# KiCad board kicad.kicad_pcb (continued)
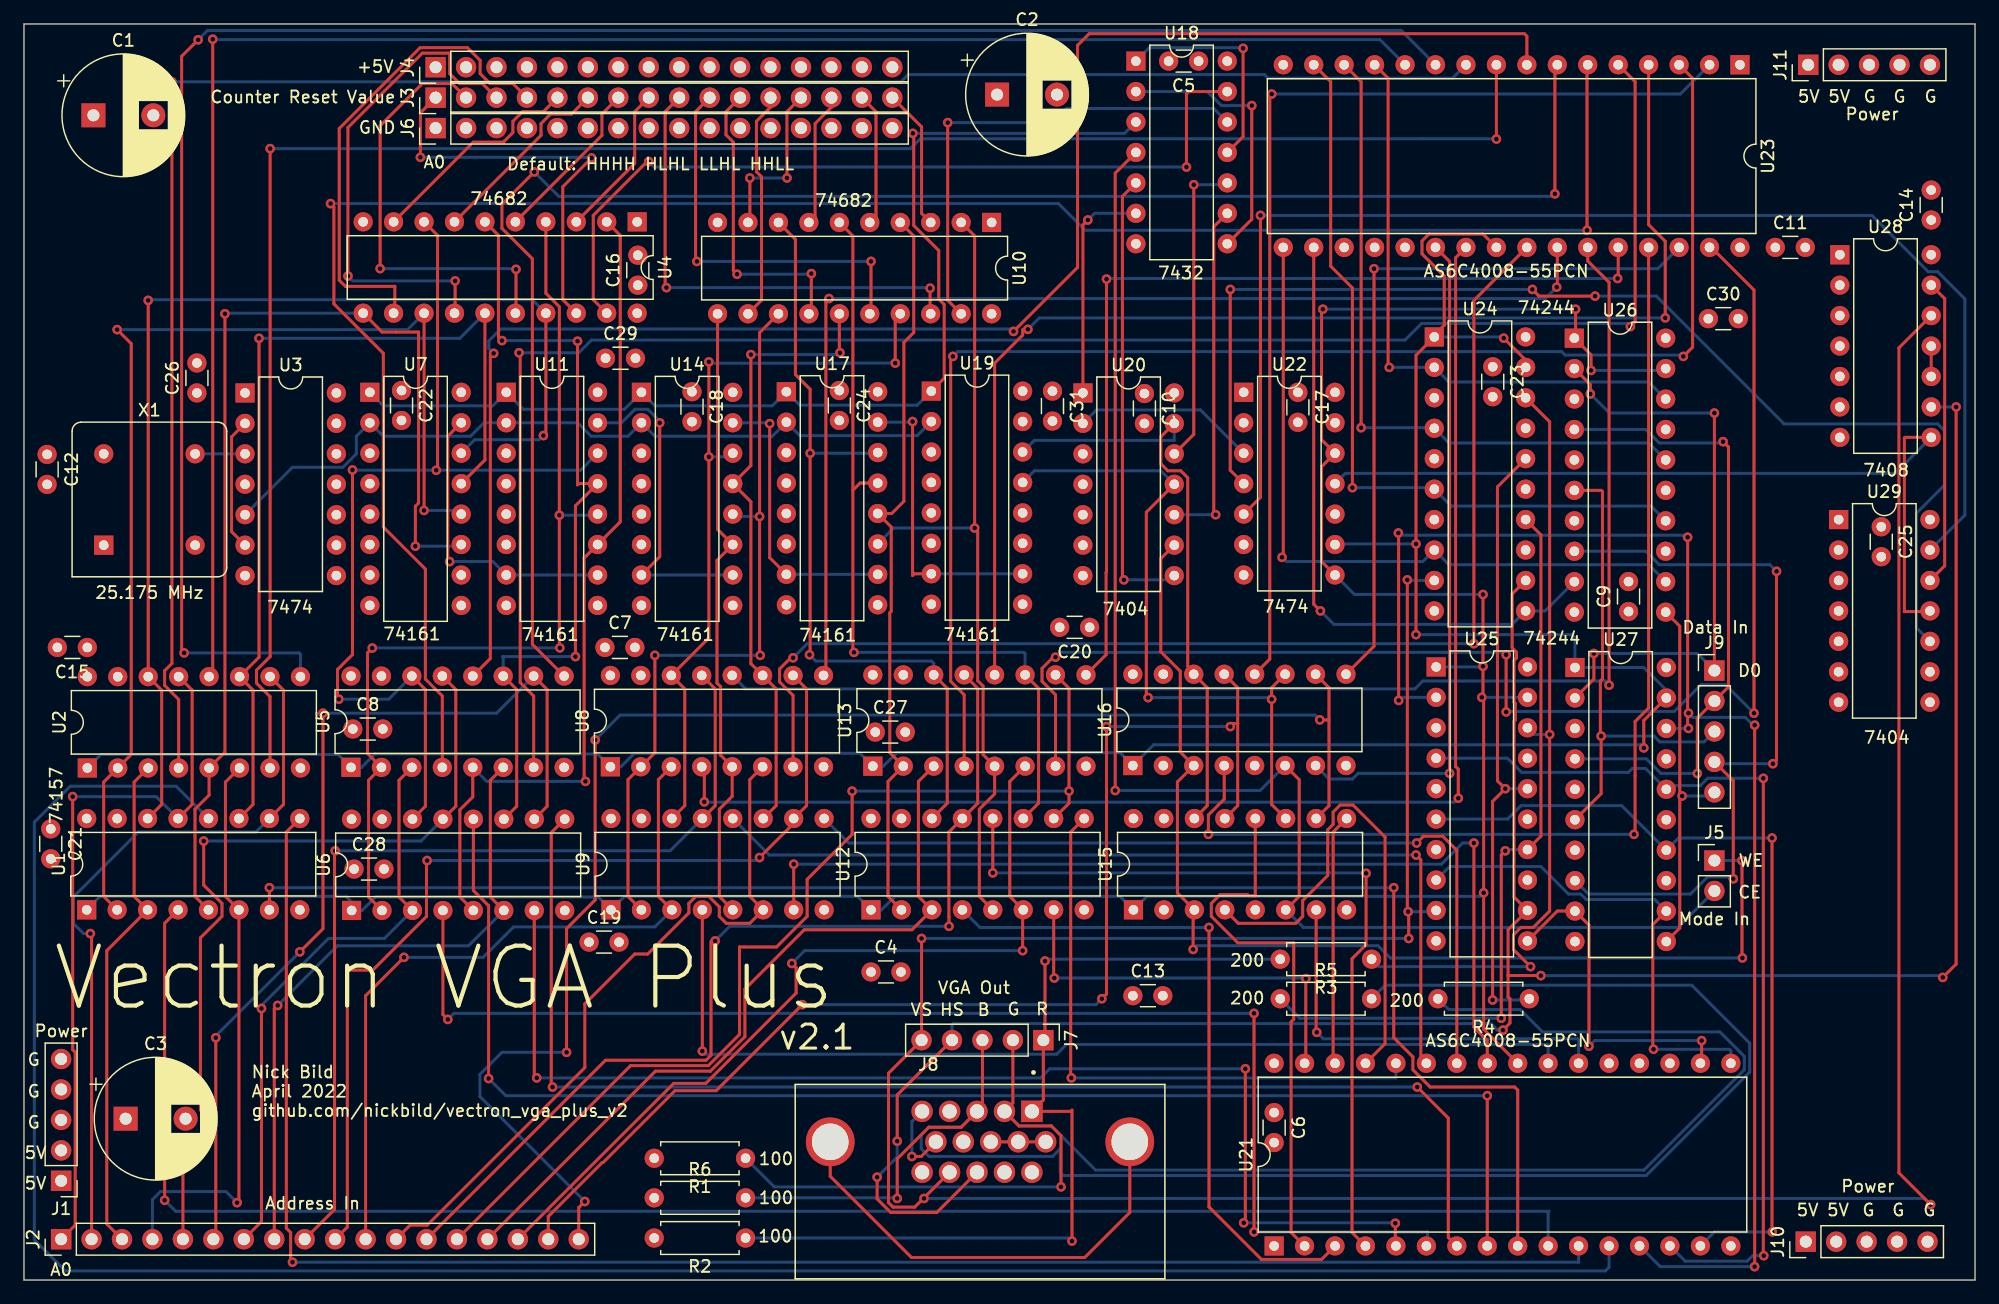
[diagram p0: board, top side]
## Routing (per net, layer and track width the routed paths; a pad name or vN(x,y) marks a point on that pad's centre or on a via; arc(x,y) is an arc through that point) (continued)
Net-(J2-Pad14): length 87.7
  Top w0.25: U12.10 87.18,39.78 v1(87.18,40.8) 87.18,49.37 U13.10 ; v1(69.09,40.79) 69.09,37.19 65.34,33.43 65.34,30.35 62.78,27.79 59.69,27.79 59.69,20.49 57.09,17.89 50.6,17.89 J2.14
  Bottom w0.25: v1(87.18,40.8) 87.17,40.79 v1(69.09,40.79)
Net-(J2-Pad15): length 63.8
  Top w0.25: J2.15 52.68,17.42 57.26,17.42 60.14,20.3 60.14,24.28 65.09,29.22 74.08,29.22 U12.3 74.62,32.01 74.62,41.6 U13.3
Net-(J2-Pad16): length 70.4
  Top w0.25: v1(64.06,26.42) 64.41,26.06 64.41,23.94 56.88,16.41 54.2,16.41 J2.16 ; U13.6 82.24,41.6 82.24,32.01 U12.6 83.31,30.84 v1(83.31,27.48)
  Bottom w0.25: v1(83.31,27.48) 65.13,27.48 v1(64.06,26.42)
Net-(J2-Pad17): length 102.5
  Top w0.25: U16.13 101.25,49.42 101.25,46.42 ; 101.25,46.42 101.25,39.58 U15.13 ; 101.25,46.42 100.88,46.42 v1(100.63,46.18) ; v1(89.92,23.47) 90.31,23.86 v1(90.31,46.18) ; v1(64.92,22.98) 57.75,15.8 54.31,15.8 48.31,9.8 48.24,9.8 43.74,5.31 J2.17
  Bottom w0.25: v1(100.63,46.18) v1(90.31,46.18) ; v1(64.92,22.98) 89.42,22.98 v1(89.92,23.47)
Net-(J2-Pad18): length 127.8
  Top w0.25: v1(46.79,6.55) 46.28,6.05 J2.18 ; v1(108.1,46.74) 108.11,46.73 108.87,46.73 ; v1(47.65,45.06) 47.65,31.71 45.26,29.32 v1(45.26,19) ; 108.87,46.73 108.87,49.42 U16.10 ; 108.87,46.73 108.87,39.58 U15.10
  Bottom w0.25: v1(45.26,19) 39.87,19 38.04,17.16 38.04,15.3 v1(46.79,6.55) ; v1(47.65,45.06) 49.73,47.14 107.7,47.14 v1(108.1,46.74)
Net-(J3-Pad1): length 34.2
  Top w0.25: J3.1 33.07,97.38 v1(33.07,93.68) ; v1(47.35,93.62) 44.95,91.22 44.95,81.8 U4.18
  Bottom w0.25: v1(33.07,93.68) 47.29,93.68 v1(47.35,93.62)
Net-(J3-Pad2): length 36.1
  Top w0.25: U4.16 41.05,80.72 v1(41.05,84.33) ; v1(29.71,84.39) 29.71,96.31 33.23,99.83 35.71,99.83 J3.2
  Bottom w0.25: v1(29.71,84.39) 40.99,84.39 v1(41.05,84.33)
Net-(J3-Pad3): length 41.7
  Top w0.25: v1(35.97,83.36) 35.97,80.72 U4.14 ; J3.3 38.25,99.83 36.34,99.83 35.52,100.66 35.52,102.3 35.45,102.37 33.23,102.37 27.03,96.16 v1(27.03,83.77)
  Bottom w0.25: v1(27.03,83.77) 27.43,83.36 v1(35.97,83.36)
Net-(J3-Pad4): length 40.6
  Top w0.25: U4.12 30.94,80.77 30.94,82.91 26.82,82.91 26.3,83.42 26.3,96.07 33.04,102.82 36.99,102.82 38.06,101.76 38.06,100.66 38.88,99.83 40.79,99.83 J3.4
Net-(J3-Pad5): length 18.5
  Top w0.25: J3.5 43.33,97.48 41.59,97.48 40.79,96.68 40.79,95.74 39.98,94.94 37.48,94.94 U4.9
Net-(J3-Pad6): length 16
  Top w0.25: J3.6 45.68,97.29 43.94,97.29 43.14,96.49 43.14,95.51 U4.7
Net-(J3-Pad7): length 13.9
  Top w0.25: J3.7 48.22,97.29 48.22,95.51 U4.5
Net-(J3-Pad8): length 12.9
  Top w0.25: J3.8 50.95,97.48 50.95,93.16 U4.3
Net-(J3-Pad9): length 40.6
  Top w0.25: U10.18 75.59,80.67 v1(75.59,82.75) ; v1(53.59,82.8) 53.49,82.91 53.49,97.48 J3.9
  Bottom w0.25: v1(53.59,82.8) 75.54,82.8 v1(75.59,82.75)
Net-(J3-Pad10): length 33.1
  Top w0.25: v1(56.13,84.99) 56.03,85.1 56.03,97.48 J3.10 ; U10.16 70.66,80.72 v1(70.66,84.99)
  Bottom w0.25: v1(56.13,84.99) v1(70.66,84.99)
Net-(J3-Pad11): length 25.3
  Top w0.25: U10.14 65.68,80.82 v1(65.68,83.97) ; v1(59.49,83.92) 59.18,84.23 59.18,94.94 58.57,95.55 58.57,97.48 J3.11
  Bottom w0.25: v1(65.68,83.97) 65.63,83.92 v1(59.49,83.92)
Net-(J3-Pad12): length 19.2
  Top w0.25: U10.12 61.53,81.74 61.53,92.05 61.11,92.47 61.11,96.68 62.28,97.85 J3.12
Net-(J3-Pad13): length 14.1
  Top w0.25: v1(60.55,91.95) 60.55,88.39 U10.9 ; J3.13 63.65,97.48 63.65,91.95 v1(63.65,91.95)
  Bottom w0.25: v1(63.65,91.95) v1(60.55,91.95)
Net-(J3-Pad14): length 11.2
  Top w0.25: U10.7 66,88.75 66,96.49 67.36,97.85 J3.14
Net-(J3-Pad15): length 11.1
  Top w0.25: J3.15 71.08,97.48 71.08,88.75 U10.5
Net-(J3-Pad16): length 11.7
  Top w0.25: U10.3 74.88,89 74.88,96.22 J3.16
Net-(J5-Pad1): length 93.3
  Top w0.25: v1(143.32,35) 143.32,26.91 v1(143.36,26.87) ; U20.9 94.84,60.19 94.84,52.42 96.46,50.8 96.46,44.05 U16.3 96.22,41.56 96.22,32.3 U15.3 97.54,30.78 v1(97.54,27.58)
  Bottom w0.25: v1(143.36,26.87) 113.98,26.87 112.96,27.9 97.85,27.9 v1(97.54,27.58) ; J5.1 v1(143.32,35)
Net-(J5-Pad2): length 119.6
  Top w0.25: v1(91.03,40.84) 91.03,92.35 U18.4 ; U15.6 106.38,32.01 106.38,41.75 U16.6
  Bottom w0.25: v1(91.03,40.84) 103.12,40.84 U16.6 ; U15.6 106.72,29.42 137.98,29.42 J5.2
Net-(J7-Pad1): length 74.3
  Top w0.25: v1(85.18,26.62) 85.18,20.15 J7.1 85.04,15.02 J8.1 87.33,14.07 87.43,14.17 v1(87.43,3.25)
  Bottom w0.25: R3.2 85.33,26.77 v1(85.18,26.62) ; R2.1 87.17,3.51 v1(87.43,3.25)
Net-(J7-Pad2): length 139.3
  Top w0.25: v1(86.51,7.77) 86.51,12.05 85.71,12.85 83.01,12.85 J8.2 82.5,14.77 J7.2
  Bottom w0.25: R4.2 118.86,22.57 124.81,22.57 126.68,20.7 141.48,20.7 143.52,18.66 143.52,17.54 135.15,9.17 89.39,9.17 85.71,12.85 83.01,12.85 J8.2 ; R1.1 62.59,7.77 v1(86.51,7.77)
Net-(J7-Pad3): length 148.7
  Top w0.25: v1(72.85,6.81) 72.85,10.11 75.49,12.75 78.19,12.75 J8.3 79.96,14.52 J7.3
  Bottom w0.25: R6.2 72.8,6.86 v1(72.85,6.81) ; R5.2 113.55,24.59 139.13,24.59 143.97,19.76 143.97,17.36 135.33,8.72 86.7,8.72 86.45,8.98 86.45,10.95 85.82,10.31 75.49,10.31 74.85,10.95 74.85,12.12 75.49,12.75 78.18,12.75 J8.3
Net-(J7-Pad4): length 199.8
  Top w0.25: v1(126.54,25.4) 126.54,25.41 123.81,25.41 ; v1(72.85,11.58) 72.85,15.44 J7.4 ; U24.12 124.15,57.24 124.15,52.74 124.51,52.38 124.51,51.91 124.3,51.7 124.3,48.22 124.41,48.11 124.41,46.72 124.3,46.62 124.3,31.96 U25.12 123.81,29.22 123.81,25.41 ; J8.13 76.15,5.63 72.31,5.63 71.17,6.77 v1(71.17,8.59) ; v1(161.19,72.85) 161.19,26.37 v1(160.07,25.25) ; 123.81,25.41 123.81,23.62 123.97,23.46 123.97,21.44 v1(123.38,20.85)
  Bottom w0.25: v1(71.17,8.59) 72.85,10.26 v1(72.85,11.58) ; v1(126.54,25.4) 159.92,25.4 v1(160.07,25.25) ; v1(123.38,20.85) 122.91,20.85 122.37,21.39 77.53,21.39 77.42,21.29 J7.4 ; v1(161.19,72.85) U28.9
Net-(J7-Pad5): length 265.5
  Top w0.25: 75.06,6.83 J8.14 ; 75.06,6.83 v1(75.08,6.81) ; 75.06,6.83 74.31,6.08 72.5,6.08 72.12,6.46 72.12,17.26 J7.5 v1(74.88,28.5) ; v1(159.05,6.3) 156.41,8.94 156.41,77.77 U28.12 ; v1(115.52,28.5) 115.52,30.68 v1(115.47,30.73) 115.4,30.8 v1(115.4,58.42)
  Bottom w0.25: U24.9 115.45,58.37 v1(115.4,58.42) ; v1(159.05,6.3) 158.55,6.81 v1(75.08,6.81) ; v1(74.88,28.5) v1(115.52,28.5) ; U25.9 117.7,30.73 v1(115.47,30.73)
Net-(J8-PadS1): length 38.1
  Top w0.25: J8.S1 67.26,8.66 74.04,1.88 88.49,1.88 92.25,5.64 J8.S2
Net-(J9-Pad1): length 50.2
  Top w0.25: v1(130.67,73.93) 130.67,74.71 U26.2 ; U27.2 130.96,50.14 v1(130.96,52.27) ; v1(141.02,72.34) J9.1
  Bottom w0.25: v1(130.96,52.27) 139.6,52.27 J9.1 ; v1(141.02,72.34) 132.27,72.34 v1(130.67,73.93)
Net-(J9-Pad2): length 52.6
  Top w0.25: v1(141.75,69.95) 142.2,69.5 142.2,49.49 J9.2 139.6,46.89 v1(139.6,42.27)
  Bottom w0.25: v1(141.75,69.95) 141.64,69.84 136.42,69.84 135.29,70.97 U26.4 ; U27.4 135.34,43.48 136.56,42.27 v1(139.6,42.27)
Net-(J9-Pad3): length 40.8
  Top w0.25: U27.6 131.57,40.59 v1(131.57,45.39) 131.51,45.45 131.51,49.98 131.69,50.16 131.69,65.78 131.58,65.89 U26.6
  Bottom w0.25: v1(131.57,45.39) 135.98,45.39 136.47,44.9 140.15,44.9 J9.3
Net-(J9-Pad4): length 63.4
  Top w0.25: v1(142.6,33.48) 142.6,41.66 J9.4 ; v1(146.2,59.13) 146.2,43.38 v1(145.9,43.08)
  Bottom w0.25: v1(146.2,59.13) 145.65,59.68 136.42,59.68 135.29,60.81 U26.8 ; v1(142.6,33.48) 142.44,33.64 140.46,33.64 139.02,32.2 130.51,32.2 U27.8 ; v1(145.9,43.08) 141.17,43.08 J9.4
Net-(J9-Pad5): length 31.4
  Top w0.25: U27.11 138.13,29.37 138.13,40.19 v1(138.33,40.39) 138.13,40.58 138.13,54.55 U26.11
  Bottom w0.25: v1(138.33,40.39) 140.72,40.39 J9.5
Net-(R3-Pad1): length 66.3
  Top w0.25: v1(125.68,26.15) 124.26,27.57 124.26,28.79 124.89,29.42 125.91,29.42 127.28,30.78 v1(127.28,45.52) 127.28,71.61 U24.18
  Bottom w0.25: U25.18 125.98,45.52 v1(127.28,45.52) ; v1(125.68,26.15) 113.04,26.15 R3.1
Net-(R4-Pad1): length 51.8
  Top w0.25: U24.16 122.92,66.18 122.92,41.65 v1(123.58,41) 122.52,39.94 v1(122.52,23.37)
  Bottom w0.25: v1(123.58,41) U25.16 ; v1(122.52,23.37) 125.48,23.37 R4.1
Net-(R5-Pad1): length 63.6
  Top w0.25: U24.14 126.55,62.17 126.55,37.04 U25.14 ; v1(123.24,21.84) 123.24,35.48 v1(123.58,35.81)
  Bottom w0.25: R5.1 106.43,21.84 v1(123.24,21.84) ; U25.14 123.68,35.92 v1(123.58,35.81)
Net-(U1-Pad1): length 239.2
  Top w0.25: U22.8 108.25,59.95 108.25,67.86 U22.12 108.25,70.11 108.25,80.89 v1(108.36,81) ; v1(129.44,81) 129.44,78.69 U26.1 130.73,77.2 v1(130.73,75.89) ; v1(121.72,57.2) v1(121.72,51.21) 121.72,48.72 v1(121.62,48.62) 121.77,48.46 v1(121.77,32.31) 121.77,20.93 U21.24
  Bottom w0.25: v1(130.73,75.89) 136.8,75.89 U26.19 ; U1.1 6.36,32.01 26.87,32.01 27.33,31.55 U6.1 28.21,30.84 29.33,31.96 47.9,31.96 U9.1 50.1,32.01 69.54,32.01 U12.1 71.54,30.89 72.66,32.01 91.43,32.01 U15.1 93.68,32.01 121.47,32.01 v1(121.77,32.31) ; v1(121.72,57.2) 111,57.2 U22.8 ; v1(121.62,48.62) U25.19 ; U25.1 121.67,51.16 v1(121.72,51.21) ; v1(108.36,81) v1(129.44,81)
Net-(U1-Pad2): length 96.2
  Top w0.25: U4.13 v1(33.38,64.21) ; U1.2 6.65,32.01 6.65,41.55 U2.2 8.95,43.85 8.95,78.12 v1(7.77,79.3)
  Bottom w0.25: v1(7.77,79.3) 32,79.3 U4.13 ; v1(33.38,64.21) 36.17,64.21 U7.12
Net-(U1-Pad4): length 143.5
  Top w0.25: U1.4 11.73,29.77 v1(11.73,6.65)
  Bottom w0.25: U21.10 127.15,5.67 127.21,5.73 12.66,5.73 v1(11.73,6.65)
Net-(U1-Pad5): length 89.9
  Top w0.25: U4.11 29.87,79.1 32.92,79.1 32.92,64.83 32.65,64.56 v1(32.65,61.23) ; U1.5 14.27,32.01 14.27,39.28 15.44,40.46 U2.5 16.76,44.04 v1(16.76,80.62)
  Bottom w0.25: v1(16.76,80.62) 16.81,80.67 U4.11 ; U7.11 36.34,61.23 v1(32.65,61.23)
Net-(U1-Pad7): length 134
  Top w0.25: v1(114.27,32.74) 114.27,20.22 115.87,18.62 115.87,17.54 117.31,16.1 124.36,16.1 124.61,15.85 U21.9 ; U1.7 v1(20.47,32.74)
  Bottom w0.25: v1(20.47,32.74) v1(114.27,32.74)
Net-(U1-Pad9): length 146.4
  Top w0.25: U1.9 21.89,37.38 21.89,4.32 22.24,3.97 22.24,1.65 v1(22.4,1.49)
  Bottom w0.25: v1(22.4,1.49) 129.71,1.49 129.69,1.5 U21.11
Net-(U1-Pad11): length 76.5
  Top w0.25: U4.15 38.46,68.43 U7.13 ; U1.11 19.11,39.68 19.11,49.22 U2.11 19.61,51.97 v1(19.61,78.57)
  Bottom w0.25: v1(19.61,78.57) 36.36,78.57 U4.15
Net-(U1-Pad12): length 186.1
  Bottom w0.25: U21.12 132.23,1.07 131.93,0.76 3.46,0.76 0.86,3.35 0.86,38.2 3.86,41.2 12.7,41.2 U1.12
Net-(U1-Pad14): length 95.6
  Top w0.25: v1(43.33,70.46) 43.54,70.66 U4.17 ; v1(10.36,81.74) U2.14 11.49,49.22 11.49,39.68 U1.14
  Bottom w0.25: v1(10.36,81.74) 10.42,81.8 42.41,81.8 U4.17 ; v1(43.33,70.46) 42.98,70.11 37.6,70.11 U7.14
Net-(U2-Pad4): length 166.8
  Top w0.25: U2.4 12.9,48.44 11.73,49.61 11.73,50.84 12.34,51.45 v1(12.34,99.97)
  Bottom w0.25: v1(12.34,99.97) 73.17,99.97 73.77,100.58 103.49,100.58 103.79,100.27 119.17,100.27 U23.10
Net-(U2-Pad7): length 161.5
  Top w0.25: U2.7 20.52,48.68 19.4,49.8 19.4,50.88 20.54,52.02 v1(20.54,94.4) ; v1(122.83,95.2) U23.9
  Bottom w0.25: v1(20.54,94.4) 73.95,94.4 74.78,95.22 122.81,95.22 v1(122.83,95.2)
Net-(U2-Pad9): length 168.2
  Top w0.25: v1(13.36,52.32) 13.31,52.32 13.15,52.48 13.15,102.1 v1(14.53,103.48)
  Bottom w0.25: v1(14.53,103.48) 15.3,104.26 114.9,104.26 U23.11 ; U2.9 23.06,52.22 22.96,52.32 v1(13.36,52.32)
Net-(U2-Pad12): length 153.7
  Top w0.25: v1(15.75,103.53) 15.75,50.65 U2.12
  Bottom w0.25: v1(15.75,103.53) 15.83,103.53 15.86,103.49 113.12,103.49 U23.12
Net-(U3-Pad2): length 11.1
  Top w0.25: U3.6 17.32,62.44 17.32,70.35 U3.2
Net-(U3-Pad3): length 4.2
  Bottom w0.25: X1.5 U3.3
Net-(U10-Pad2): length 68.1
  Top w0.25: U12.5 79.7,32.01 79.7,39.28 80.98,40.56 U13.5 80.01,43.84 80.01,49.56 79.56,50.01 79.56,62.49 v1(79.31,62.75) 79.31,87.11 U10.2
  Bottom w0.25: U17.11 72.55,62.75 v1(79.31,62.75)
Net-(U10-Pad4): length 61.7
  Top w0.25: U10.4 74.23,87.11 74.23,79.05 73.41,78.23 73.41,64.97 72.39,63.96 U17.12 72.35,62.83 72.35,55.8 72.23,55.68 72.23,44 U13.2 72.08,41.6 72.08,32.01 U12.2
Net-(U10-Pad6): length 67.8
  Top w0.25: U17.13 69.75,66.5 69.15,65.9 ; 69.15,65.9 69.15,87.11 U10.6 ; 69.15,65.9 69.15,52.46 v1(69.24,52.37) ; U13.11 84.64,49.37 84.64,39.78 U12.11
  Bottom w0.25: U13.11 83.52,52.27 83.42,52.37 v1(69.24,52.37)
Net-(U10-Pad8): length 67.4
  Top w0.25: U13.14 77.02,49.37 77.02,39.78 U12.14 ; v1(65.53,52.17) 65.58,52.22 v1(65.58,68.99) 65.58,74.32 64.36,75.55 64.36,86.82 U10.8
  Bottom w0.25: U13.14 75.9,51.46 75.71,51.64 66.06,51.64 v1(65.53,52.17) ; U17.14 71.17,68.99 v1(65.58,68.99)
Net-(U10-Pad11): length 52.2
  Top w0.25: U9.5 58.01,32.01 58.01,39.28 59.08,40.36 U8.5 58.12,43.79 58.12,49.51 57.81,49.81 57.81,60.05 U14.11 57.86,62.64 U10.11
Net-(U10-Pad13): length 62.9
  Top w0.25: v1(61.42,52.12) 61.37,52.17 v1(61.37,63.7) 61.37,79.04 U10.13 ; v1(52.63,52.12) 52.63,43.99 U8.2 50.39,41.75 50.39,32.01 U9.2
  Bottom w0.25: v1(61.42,52.12) v1(52.63,52.12) ; v1(61.37,63.7) 59.33,63.7 U14.12
Net-(U10-Pad15): length 51.9
  Top w0.25: U10.15 68.02,77.42 v1(68.07,77.37) ; U9.11 62.75,39.58 62.75,49.32 U8.11 60.64,51.42 60.64,64.94 U14.13 60.64,67.96 v1(60.64,77.22)
  Bottom w0.25: 68.02,77.22 v1(60.64,77.22)
Net-(U10-Pad17): length 62.6
  Top w0.25: U9.14 55.13,39.58 55.13,49.32 U8.14 57.14,53.58 v1(57.14,68.68) v1(57.14,76.61) ; U10.17 72.68,80.2 v1(72.68,76.5)
  Bottom w0.25: 68.67,76.49 68.68,76.5 v1(72.68,76.5) ; 68.67,76.49 57.25,76.49 v1(57.14,76.61) ; 68.67,76.49 68.97,76.49 ; U14.14 58.83,68.68 v1(57.14,68.68)
Net-(U10-Pad19): length 40.7
  Top w0.25: v1(77.06,96.57) 77.06,96.56 77.06,81.74 U10.19
  Bottom w0.25: U18.12 99.26,97.75 86.98,97.75 85.8,96.57 v1(77.06,96.57)
Net-(U11-Pad1): length 92.9
  Top w0.25: v1(74.15,95.67) 74.23,95.6 74.23,87.99 76.32,85.9 76.32,81.85 76.77,81.4 76.77,75.24 U19.1
  Bottom w0.25: U7.1 29.98,72.94 39.11,72.94 U11.1 41.65,72.65 50.1,72.65 U14.1 52.64,72.94 62.43,72.94 U17.1 64.73,72.99 74.52,72.99 U19.1 ; U18.3 91.81,95.67 v1(74.15,95.67)
Net-(U11-Pad2): length 65.1
  Bottom w0.25: U3.5 22.4,67.81 26.6,67.81 27.73,68.94 27.73,70.4 U7.2 29.98,70.4 37.25,70.4 38.38,71.53 U11.2 46.19,71.53 47.31,70.4 50.39,70.4 U14.2 52.64,70.4 62.43,70.4 U17.2 64.73,70.45 74.52,70.45 U19.2
Net-(U11-Pad10): length 25.1
  Top w0.25: U7.15 35.35,70.4 35.35,60.1 v1(35.51,59.94)
  Bottom w0.25: v1(35.51,59.94) 35.66,59.79 35.77,59.79 35.93,59.95 39.11,59.95 U11.7 U11.10
Net-(U11-Pad11): length 71.2
  Top w0.25: U5.5 37.44,40.31 36.37,39.23 36.37,31.96 U6.5 ; v1(46.84,41.61) 46.73,41.71 46.73,60.24 U11.11 49.74,63.25 49.74,87.17 U4.2
  Bottom w0.25: U5.5 38.61,41.61 v1(46.84,41.61)
Net-(U11-Pad12): length 78.4
  Top w0.25: U6.2 28.75,31.96 28.75,41.7 U5.2 28.66,43.94 28.66,52.33 v1(29.06,52.73) ; U4.4 43.54,82.34 44.66,81.21 v1(44.66,63.81) 44.66,52.79 v1(44.7,52.74)
  Bottom w0.25: v1(29.06,52.73) 29.07,52.74 v1(44.7,52.74) ; U11.12 47.76,63.81 v1(44.66,63.81)
Net-(U11-Pad13): length 66.3
  Top w0.25: U6.11 41.1,39.53 41.1,49.27 U5.11 ; v1(46,52.02) 46,64.6 U11.13 46.28,66.45 46.18,66.34 v1(46.18,78.33) ; v1(39.88,78.38) 39.58,78.68 39.58,87.17 U4.6
  Bottom w0.25: v1(46.18,78.33) 46.13,78.38 v1(39.88,78.38) ; v1(46,52.02) 39.93,52.02 39.98,51.97 U5.11
Net-(U11-Pad14): length 81.7
  Top w0.25: v1(26.26,48.46) 26.15,48.57 26.15,50.93 27.41,52.18 v1(27.41,67.59) ; U5.14 33.48,49.27 33.48,39.53 U6.14 ; U4.8 34.5,87.17 34.5,67.67 v1(34.39,67.56)
  Bottom w0.25: U11.14 46.44,67.57 34.4,67.57 v1(34.39,67.56) 34.38,67.57 27.42,67.57 v1(27.41,67.59) ; U5.14 30.43,48.46 v1(26.26,48.46)
Net-(U11-Pad15): length 27.1
  Top w0.25: v1(53.04,71.53) 53.04,60.35 U14.7
  Bottom w0.25: U11.15 49.85,71.53 50.97,72.65 52.05,72.65 53.04,71.67 v1(53.04,71.53) ; U14.7 U14.10
Net-(U12-Pad4): length 57.3
  Top w0.25: U21.3 108.25,1.72 103.23,1.72 98.86,6.1 v1(98.86,29.41)
  Bottom w0.25: v1(98.86,29.41) 79.76,29.41 U12.4
Net-(U12-Pad7): length 33.8
  Top w0.25: U21.31 106.93,18.19 v1(106.93,25.15) ; U12.7 85.9,25.25 v1(85.95,25.2)
  Bottom w0.25: v1(85.95,25.2) 106.88,25.2 v1(106.93,25.15)
Net-(U12-Pad9): length 50.4
  Top w0.25: v1(87.38,16.87) 87.32,16.92 87.32,37.38 U12.9
  Bottom w0.25: U21.28 114.45,16.87 v1(87.38,16.87)
Net-(U12-Pad12): length 67.7
  Top w0.25: U12.12 v1(80.82,33.97) ; v1(111.96,33.93) 111.96,27.98 110.79,26.8 110.79,3.97 U21.4
  Bottom w0.25: v1(80.82,33.97) 111.93,33.97 v1(111.96,33.93)
Net-(U13-Pad1): length 221.5
  Top w0.25: v1(123.44,78.59) 125.27,76.76 U24.19 ; U27.19 135.13,46.69 v1(135.13,44.4) ; U23.24 121.71,87.28 117.21,87.28 116.63,86.7 116.63,85.62 118.48,83.77 118.48,79.67 117.65,78.84 U24.1 116.13,77.17 v1(116.13,61.42) v1(116.13,53.85)
  Bottom w0.25: U2.1 6.41,43.85 26.21,43.85 U5.1 28.15,42.77 29.28,43.9 47.85,43.9 U8.1 49.8,42.82 50.92,43.95 69.74,43.95 U13.1 71.69,42.88 72.82,44 91.43,44 U16.1 94.24,44.66 134.87,44.66 v1(135.13,44.4) ; v1(123.44,78.59) 123.34,78.69 U24.1 ; U22.9 109.42,61.42 v1(116.13,61.42) ; v1(116.13,53.85) 129.13,53.85 129.39,53.59 U27.1 135.13,51.1 137.01,49.23 U27.19
Net-(U13-Pad4): length 121.5
  Top w0.25: U23.3 139.2,100.27 139.2,77.83 v1(138.43,77.06) ; v1(77.49,77.06) 77.35,77.06 77.31,77.11 77.31,49.96 78.44,48.83 U13.4
  Bottom w0.25: v1(77.49,77.06) 77.89,77.46 128.28,77.46 128.57,77.17 138.52,77.17 138.52,77.16 v1(138.43,77.06)
Net-(U13-Pad7): length 116.2
  Top w0.25: v1(144.32,47.29) 144.32,82.6 140.77,86.16 U23.31 ; v1(123.65,47.4) v1(123.65,52.17) ; v1(86.06,51.97) 85.86,51.97 84.93,51.04 84.93,49.96 86.06,48.83 U13.7
  Bottom w0.25: 118.42,52.37 118.78,52.37 ; 118.42,52.37 123.45,52.37 v1(123.65,52.17) ; 118.42,52.37 86.46,52.37 v1(86.06,51.97) ; v1(123.65,47.4) 123.69,47.44 137.67,47.44 139.91,49.68 141.94,49.68 v1(144.32,47.29)
Net-(U13-Pad9): length 79
  Top w0.25: v1(132.94,83.57) 132.99,83.62 U23.28 ; v1(90.31,83.52) 90.31,59.08 90.27,59.04 90.27,52.17 U13.9
  Bottom w0.25: v1(132.94,83.57) 90.36,83.57 v1(90.31,83.52)
Net-(U13-Pad12): length 105.5
  Top w0.25: v1(83.75,79.32) 83.36,79.32 83.31,79.27 83.31,78.84 80.98,76.5 U13.12 ; U23.4 135.53,88.05 136.92,86.67 v1(136.92,80.28)
  Bottom w0.25: v1(83.75,79.32) 84.71,80.28 v1(136.92,80.28)
Net-(U14-Pad15): length 23.9
  Top w0.25: U17.7 62.21,60.27 v1(62.21,71.46)
  Bottom w0.25: U17.7 U17.10 ; v1(62.21,71.46) 62.14,71.53 U14.15
Net-(U15-Pad4): length 42.2
  Top w0.25: U21.29 113.55,19.72 113.55,36.96 110.88,39.63 109.8,39.63 109.21,39.05 109.21,38.02 108.76,37.57 108.76,33.75 106.67,31.66 106.67,30.35 106.09,29.76 101.3,29.76 U15.4
Net-(U15-Pad7): length 34.3
  Top w0.25: U15.7 107.8,20.72 v1(107.85,20.67)
  Bottom w0.25: U21.22 129.69,20.07 129.63,20.13 108.39,20.13 v1(107.85,20.67)
Net-(U15-Pad9): length 21
  Top w0.25: U21.30 109.21,18.24 109.21,37.38 U15.9
Net-(U15-Pad11): length 55.7
  Top w0.25: v1(93.78,48.59) 93.63,48.74 93.63,64.07 U20.11 ; U16.11 104.08,49.42 v1(104.08,48.46) 104.08,39.68 U15.11
  Bottom w0.25: U19.13 84.28,67.52 94.84,67.52 U20.11 ; v1(104.08,48.46) 103.94,48.59 v1(93.78,48.59)
Net-(U15-Pad12): length 45.2
  Top w0.25: U15.12 102.72,32.05 102.16,32.05 102.06,32.16 99.78,32.16 99.05,31.43 99.05,30.35 101.26,28.14 105.93,28.14 105.93,21.75 105.71,21.53 105.71,3.97 U21.2
Net-(U15-Pad14): length 50.6
  Top w0.25: U15.14 98.71,39.58 98.71,49.42 U16.14 97.59,50.71 97.09,51.21 97.09,66.94 96.5,67.52 95.42,67.52 94.84,68.11 94.84,70.35 U20.13
  Bottom w0.25: U19.14 84.28,70.06 95.97,70.06 95.96,70.07 U20.13
Net-(U16-Pad4): length 91.5
  Top w0.25: v1(98.81,37.19) 98.81,38.8 100.13,40.12 U16.4 ; v1(134.32,37.19) 134.4,37.27 134.4,46.6 135.53,47.73 U23.29
  Bottom w0.25: 130.1,37.19 v1(98.81,37.19) ; 130.1,37.19 v1(134.32,37.19) ; 130.1,37.19 130.31,37.19
Net-(U16-Pad7): length 56.2
  Top w0.25: U23.22 118.93,84.98 v1(118.93,42.27)
  Bottom w0.25: U16.7 108.87,41.8 110.83,41.8 111.3,42.27 v1(118.93,42.27)
Net-(U16-Pad9): length 61
  Top w0.25: v1(112.62,84.38) 112.62,52.88 U16.9
  Bottom w0.25: U23.30 136.3,84.38 v1(112.62,84.38)
Net-(U16-Pad12): length 86.5
  Top w0.25: U16.12 103.93,51.81 103.93,98.8 v1(104.09,98.96)
  Bottom w0.25: U23.2 138.18,98.96 v1(104.09,98.96)
Net-(U17-Pad15): length 25
  Top w0.25: U19.7 74.27,58.93 74.13,58.79 v1(74.13,71.63)
  Bottom w0.25: v1(74.13,71.63) 74.08,71.58 U17.15 ; U19.7 U19.10
Net-(U18-Pad1): length 18.7
  Top w0.25: U18.11 101.7,95.4 v1(101.7,102.77)
  Bottom w0.25: U18.1 93.89,102.83 101.64,102.83 v1(101.7,102.77)
Net-(U18-Pad2): length 22.5
  Top w0.25: v1(102.43,97.99) 102.43,88.51 U18.8
  Bottom w0.25: v1(102.43,97.99) 99.88,97.99 98.72,99.16 U18.2
Net-(U18-Pad5): length 38
  Top w0.25: U18.5 91.64,90.42 91.64,58.54 v1(91.76,58.42)
  Bottom w0.25: v1(91.76,58.42) 95.61,58.42 U20.8
Net-(U18-Pad6): length 18.8
  Top w0.25: v1(88.75,88.44) 88.34,88.04 U20.1
  Bottom w0.25: v1(88.75,88.44) 89.31,89 U18.6
Net-(U18-Pad9): length 29.1
  Top w0.25: v1(99.42,63.86) 99.26,64.02 99.26,87.88 U18.9
  Bottom w0.25: v1(99.42,63.86) U20.10
Net-(U18-Pad10): length 26
  Top w0.25: v1(97.59,91.39) 97.59,70.56 U20.12
  Bottom w0.25: v1(97.59,91.39) 100.23,91.39 U18.10
Net-(U18-Pad13): length 69.7
  Top w0.25: v1(52.12,93.32) 51.98,93.32 47.49,88.83 47.49,81.8 U4.19 ; v1(96.98,92.86) 96.98,98.96 97.18,99.16 U18.13
  Bottom w0.25: v1(96.98,92.86) 52.58,92.86 v1(52.12,93.32)
Net-(U20-Pad2): length 15.4
  Bottom w0.25: U22.3 98.14,72.6 89.47,72.6 U20.2
Net-(U21-Pad5): length 101
  Top w0.25: U21.5 114.4,2.9 v1(114.4,4.74) ; v1(101.89,17.63) 101.89,4.91 v1(101.75,4.78) ; U6.7 42.57,17.07 v1(42.77,16.87)
  Bottom w0.25: v1(101.75,4.78) 114.36,4.78 v1(114.4,4.74) ; v1(101.89,17.63) 85.57,17.63 84.81,16.87 v1(42.77,16.87)
Net-(U21-Pad6): length 110.7
  Top w0.25: v1(35.36,21.74) 34.95,22.15 U6.4 ; v1(102.62,22.25) v1(102.62,4.01)
  Bottom w0.25: v1(102.62,22.25) 35.86,22.25 v1(35.36,21.74) ; U21.6 117.09,2.95 117.09,4.01 v1(102.62,4.01)
Net-(U21-Pad7): length 109.6
  Top w0.25: U21.7 118.82,3.56 118.82,13.51 v1(116.23,16.1) ; U6.9 43.99,37.33 43.99,16.21 v1(44.09,16.1)
  Bottom w0.25: v1(44.09,16.1) v1(116.23,16.1)
Net-(U21-Pad8): length 118.6
  Top w0.25: v1(38.76,16.81) 38.76,31.23 37.49,32.5 U6.12 ; v1(122.07,15.38) U21.8
  Bottom w0.25: v1(122.07,15.38) 40.2,15.38 v1(38.76,16.81)
Net-(U21-Pad13): length 120.9
  Top w0.25: 138.79,47.19 138.79,46.1 v1(138.86,46.02) ; 138.79,47.19 138.79,47.22 v1(138.86,47.29) ; 138.79,47.19 v1(138.79,61.98) ; v1(114.66,62.33) 114.68,62.31 v1(114.68,48.36) ; v1(144.37,1.12) 144.38,1.12 v1(144.38,46.3)
  Bottom w0.25: v1(138.86,46.02) U27.18 ; v1(144.38,46.3) 144.25,46.3 143.6,46.95 139.21,46.95 v1(138.86,47.29) ; v1(114.66,62.33) 114.84,62.14 138.62,62.14 v1(138.79,61.98) ; U21.13 136.5,1.12 v1(144.37,1.12) ; v1(114.68,48.36) 114.93,48.62 U25.2
Net-(U21-Pad14): length 77.4
  Top w0.25: v1(145.14,2.03) 145.1,2.06 v1(145.1,41.86)
  Bottom w0.25: U21.14 138.58,1.57 143.76,1.57 144.21,2.03 v1(145.14,2.03) ; U25.4 123.76,43.54 124.94,42.36 133.84,42.36 134.17,42.69 135.27,42.69 U27.16 137.32,41.25 139.85,41.25 140.46,41.87 145.1,41.87 v1(145.1,41.86)
Net-(U21-Pad15): length 69.8
  Top w0.25: v1(145.85,4.01) 145.83,4.03 v1(145.83,36.88)
  Bottom w0.25: v1(145.83,36.88) 138.02,36.88 U27.14 133.29,39.58 124.89,39.58 123.76,38.46 U25.6 ; v1(145.85,4.01) 141.02,4.01 U21.15
Net-(U21-Pad17): length 40.8
  Top w0.25: v1(135.94,19.25) 135.88,19.31 135.88,29.66 U27.12
  Bottom w0.25: U25.8 118.93,34.5 126.55,34.5 128.85,32.2 129.88,32.2 130.33,31.75 136.04,31.75 U27.12 ; v1(135.94,19.25) 142.29,19.25 142.39,19.15 U21.17
Net-(U21-Pad18): length 28.3
  Top w0.25: v1(130.56,19.51) 130.56,29.62 U27.9 127.91,30.78 U25.11 ; v1(139.95,19.98) 139.95,18.19 U21.18
  Bottom w0.25: v1(139.95,19.98) 131.03,19.98 v1(130.56,19.51)
Net-(U21-Pad23): length 84.4
  Top w0.25: v1(56.59,19.1) U9.4
  Bottom w0.25: v1(56.59,19.1) 56.85,18.84 86.15,18.84 86.97,19.66 127.15,19.66 U21.23
Net-(U21-Pad25): length 80.1
  Top w0.25: U21.25 122.07,19.99 120.95,21.11 v1(120.95,36.46) ; v1(64.21,34.7) U9.7
  Bottom w0.25: v1(120.95,36.46) 120.02,36.46 118.25,34.7 v1(64.21,34.7)
Net-(U21-Pad26): length 72.1
  Top w0.25: U21.26 119.53,35.85 118.35,37.04 116.76,37.04 v1(116.18,36.46)
  Bottom w0.25: U9.9 68.8,36.46 v1(116.18,36.46)
Net-(U21-Pad27): length 76
  Top w0.25: v1(116.13,35.46) 116.53,35.06 116.53,18.55 U21.27
  Bottom w0.25: v1(116.13,35.46) 62.18,35.46 U9.12
Net-(U22-Pad4): length 100.2
  Top w0.25: U22.4 100.63,67.57 100.63,82.64 v1(100.63,82.65) ; v1(125.83,82.65) 126.39,82.09 v1(131.06,82.09)
  Bottom w0.25: U29.10 157.88,54.41 157.88,63.99 160.23,66.34 160.23,70.85 159.65,71.43 146.84,71.43 136.18,82.09 v1(131.06,82.09) ; v1(100.63,82.65) v1(125.83,82.65)
Net-(U22-Pad5): length 109.3
  Top w0.25: U22.5 103.15,65.31 v1(103.15,88.83)
  Bottom w0.25: v1(103.15,88.83) 154.16,88.83 158.86,84.13 159.65,84.13 161.91,81.86 161.91,63.82 U29.13
Net-(U22-Pad11): length 70.2
  Top w0.25: U28.8 156.92,70.31 156.87,70.26 156.87,55.78 156.86,55.77 158.95,55.77 U29.11
  Bottom w0.25: U22.11 110.23,67.3 156.1,67.3 U28.8
Net-(U23-Pad5): length 151.5
  Top w0.25: v1(41.3,77.37) 41.39,77.27 41.39,49.85 42.52,48.73 U5.7 ; U23.5 134.41,99.98 134.41,79.95 v1(134.01,79.55)
  Bottom w0.25: v1(134.01,79.55) 133.75,79.81 116.59,79.81 115.2,78.42 47.34,78.42 46.29,77.37 v1(41.3,77.37)
Net-(U23-Pad6): length 170.5
  Top w0.25: U23.6 130.4,101.34 v1(130.4,87.59) ; v1(25.58,89.81) 25.85,89.54 25.85,81.45 29.98,77.32 29.98,62.83 33.48,59.32 33.48,50.14 34.9,48.73 U5.4
  Bottom w0.25: v1(130.4,87.59) 88.53,87.59 86.3,89.81 v1(25.58,89.81)
Net-(U23-Pad7): length 142.3
  Top w0.25: U23.7 127.71,101.19 v1(127.71,90.63) ; U5.9 42.41,53.04 42.41,85.21 39.87,87.75 39.87,89.76 v1(42.57,92.46)
  Bottom w0.25: v1(127.71,90.63) 127.5,90.42 44.61,90.42 v1(42.57,92.46)
Net-(U23-Pad8): length 139.6
  Top w0.25: v1(82.55,79.15) 87.89,84.49 87.89,103.02 88.86,103.99 125.17,103.99 125.37,103.78 U23.8 ; v1(39.18,77.32) 38.91,77.04 38.91,51.86 U5.12
  Bottom w0.25: v1(82.55,79.15) 82.35,79.35 39.77,79.35 38.78,78.36 38.78,77.72 v1(39.18,77.32)
Net-(U23-Pad13): length 49.9
  Top w0.25: U23.13 113.8,100.27 113.8,76.24 v1(113.89,76.15)
  Bottom w0.25: U26.18 135.54,74.92 118.88,74.92 U24.2 v1(113.89,76.15)
Net-(U23-Pad14): length 57.4
  Top w0.25: v1(111.55,71.11) 111.55,99.98 U23.14
  Bottom w0.25: v1(111.55,71.11) 117.61,71.11 U24.4 118.88,69.84 135.54,69.84 U26.16
Net-(U23-Pad15): length 63.9
  Top w0.25: v1(110.82,66.11) 110.82,82.77 109.01,84.59 109.01,99.98 U23.15
  Bottom w0.25: v1(110.82,66.11) 117.53,66.11 U24.6 119.07,64.57 135.73,64.57 U26.14
Net-(U23-Pad17): length 59.5
  Top w0.25: v1(104.95,60.3) 105.05,60.4 U23.17
  Bottom w0.25: U26.12 135.54,59.68 118.88,59.68 U24.8 116.7,59.95 105.3,59.95 v1(104.95,60.3)
Net-(U23-Pad18): length 53.7
  Top w0.25: U23.18 107.59,56.39 v1(108.15,55.83)
  Bottom w0.25: U26.9 126.9,55.83 U24.11 124.15,54.7 109.28,54.7 v1(108.15,55.83)
Net-(U23-Pad23): length 112.7
  Top w0.25: v1(56.76,39.9) 56.76,42.61 U8.4 ; v1(119.66,40.2) 119.66,42.62 119.43,42.85 119.43,85.29 U23.23
  Bottom w0.25: v1(56.76,39.9) 56.73,39.87 56.63,39.87 119.32,39.87 v1(119.66,40.2)
Net-(U23-Pad25): length 102.3
  Top w0.25: v1(120.95,53.09) 120.95,81.74 U23.25 ; v1(64.16,51.92) 63.97,51.92 63.04,50.98 63.04,49.9 64.16,48.78 U8.7
  Bottom w0.25: v1(64.16,51.92) 65.34,53.09 v1(120.95,53.09)
Net-(U23-Pad26): length 96.1
  Top w0.25: v1(67.16,81.89) 66.9,81.63 66.9,50.64 U8.9 ; U23.26 127.91,82.89 v1(127.86,82.84)
  Bottom w0.25: v1(67.16,81.89) 126.91,81.89 v1(127.86,82.84)
Net-(U23-Pad27): length 111.3
  Top w0.25: U23.27 130.45,85.03 132.23,83.25 v1(132.23,49.63)
  Bottom w0.25: U8.12 60.21,49.32 116.03,49.32 116.69,49.98 131.88,49.98 v1(132.23,49.63)
Net-(U28-Pad10): length 2.5
  Top w0.25: U28.11 U28.10
Net-(U28-Pad13): length 25.6
  Top w0.25: U28.13 160.23,81.88 160.23,59.6 U29.12

## Copper pours and planes (outline as drawn; the poured copper is in the pictures)
+5V on PWR: 162.76,0 0,0 0,104.8 162.76,104.8
+5V on PWR: 147.27,-0.05 0,0 0,104.8 147.27,104.8
+5V on PWR: 147.27,0 0,0 0,104.8 147.27,104.8
+5V on PWR: 147.32,-0.05 0,-0.05 0,104.8 147.27,104.8
GND on GND: 162.76,0 0,0 0,104.8 162.76,104.8
GND on GND: 147.27,-0.05 0,0 0,104.8 147.27,104.8
GND on GND: 147.27,-0.05 0,0 0,104.8 147.27,104.8
GND on GND: 147.27,-0.05 0,0 0,104.8 147.27,104.8
GND on GND: 147.27,0 0,0 0.05,104.75 147.27,104.8

## Text on the board
F.SilkS: Nick Bild / April 2022 / github.com/nickbild/vectron_vga_plus_v2 | G | 5V | Power | A0 | 25.175 MHz | 7474 | Counter Reset Value | Address In | +5V | GND | 74161 | 74682 | Default: HHHH HLHL LLHL HHLL | 100 | VS | HS | VGA Out | B | R | 7404 | 7432 | 200 | AS6C4008-55PCN | 74244 | Mode In | Data In | D0 | CE | WE | 7408 | 74157 | v2.1 | Vectron VGA Plus
